# Altium PCB 400432.PcbDoc (part 3 of 6)
Units mil, origin at the board's own origin, x right, y up, seen from the top; angles counter-clockwise.
Board outline 5375 x 2500 mil, 4 copper layers (Top Layer, Mid-Layer 1, Mid-Layer 2, Bottom Layer), stack 59.252 mil thick; 366 components, 253 nets, 1494 pads, 1929 vias.
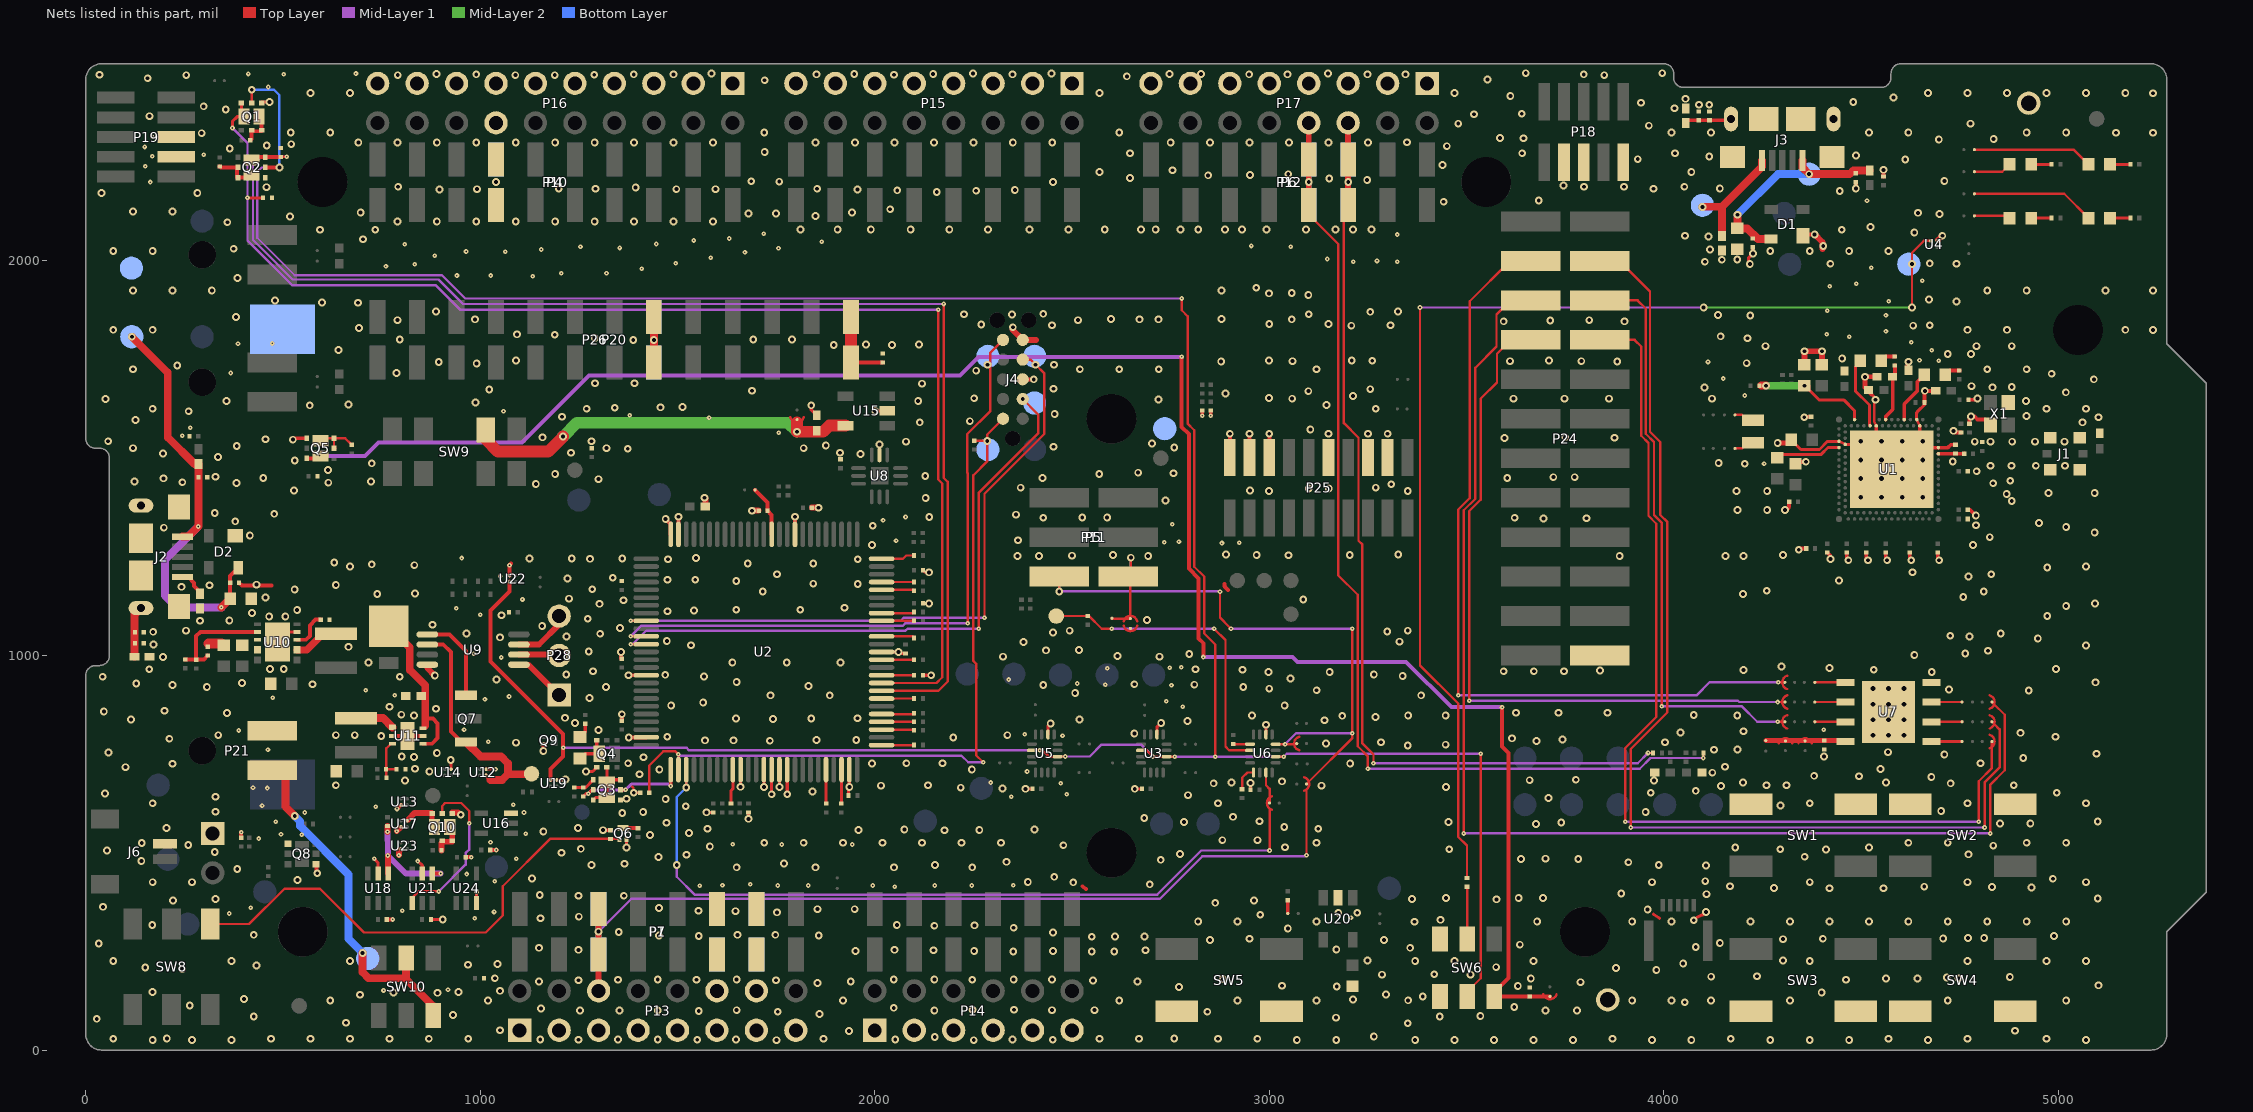
[diagram p5: the nets of this part, all layers, seen from the top]

## Via types
v1: diameter 19.68, hole 9.84, Top Layer to Bottom Layer, tented both sides, 1445 vias
v2: diameter 11.81, hole 3.94, Top Layer to Mid-Layer 1, tented top, 456 vias
v3: diameter 24, hole 12, Top Layer to Bottom Layer, tented both sides, 28 vias

## Nets (pads, with @x,y where several pads share a name; then routed paths per layer and width w, separated by ;. In a path a pad name is that pad's centre, name@x,y a point inside that pad or via, vN(x,y) a via of type N, cw(c..) or ccw(c..) an arc to the next point about the centre after c; other vN are vias at no path point) (continued)
GND: Bat1.2 C1.2 C2.1 C3.2 C4.1 C5.1 C6.2 C7.2 C8.2 C9.1 C10.2 C11.1 C12.1 C13.2 C14.2 C15.2 C16.2 C17.2 C18.2 C19.2 C20.2 C21.2 C22.2 C23.2 C24.2 C25.2 C26.2 C27.2 C28.1 C29.1 C30.2 C31.1 C32.1 C33.1 C34.2 C35.1 C36.1 C37.1 C38.1 C39.2 C40.1 C41.1 C42.1 C43.2 C44.1 C45.1 C46.1 C47.1 C48.1 C49.2 C50.1 C51.1 C52.1 C53.1 C54.1 C55.1 C56.1 C57.1 C59.1 C60.1 C61.1 C63.1 C64.1 C65.1 C66.1 C67.1 C68.1 C69.1 C70.1 C71.1 C72.1 D1.1 D2.1 FB3.2 FB4.2 FB5.2 FB6.2 J1.2 J4.3 J4.5 J6.1 P1.6 P1.7 P4.7 P7.6 P7.7 P10.7 P13.1 P13.3 P13.5 P13.7 P13.9 P13.11 P13.12 P13.13 P13.14 P13.15 P14.1 P14.3 P14.5 P14.7 P14.9 P14.11 P15.1 P15.3 P15.5 P15.7 P15.9 P15.11 P15.13 P15.15 P16.1 P16.3 P16.5 P16.7 P16.9 P16.11 P16.13 P16.14 P16.15 P16.17 P16.19 P17.1 P17.3 P17.5 P17.7 P17.9 P17.11 P17.13 P17.15 P18.3 P18.5 P18.9 P19.3 P19.5 P21.1 P24.24 P25.3 P25.5 P25.9 P25.15 P25.17 P25.19 P27.1 Q1.1 Q2.1 Q3.1 Q4.1 Q5.1 Q6.2 Q8.1 Q8.4 Q9.2 Q10.1 R7.1 R9.1 R13.2 R29.2 R31.2 R36.2 R50.2 R52.2 R55.1 R56.1 R61.2 R62.1 R63.1 R66.2 R70.2 R73.2 R75.1 SB32.1 SW1.1 SW2.1 SW3.1 SW4.1 SW5.1 SW6.1 SW6.4 TP12.1 TP39.1 TP40.1 TP41.1 U1.104 U1.A25 U1.B12 U1.B26 U1.G1 U1.H2 U1.J31 U2.9 U2.24 U2.25 U2.41 U2.49 U2.60 U2.63 U2.64 U2.65 U2.66 U2.74 U2.88 U3.6 U4.B1 U5.6 U6.6 U7.4 U7.9 U8.2 U9.4 U10.4 U10.8 U10.9 U10.11 U11.2 U11.5 U11.7 U12.B1 U13.B1 U14.B1 U15.2 U16.3 U17.B1 U18.2 U19.B1 U20.2 U21.2 U22.B1 U23.B1 U24.3 X1.2 X1.4 | length 4311.2
  Top Layer w6: 1385,668 cw(c1375.34,658.34) 1389,658.34 v1(1389,652) C40.1@1405.78,652 ; R36.2@2122.22,1215.72 2127.22,1210.72 v1(2137.38,1210.72) ; R31.2@2126.22,1132.05 v1@2141.38,1132.05
  Top Layer w6.5: U1.A25@4640.85,1597.98 U1.B26@4648.72,1582.24 U1.A25@4640.85,1597.98
  Top Layer w7.36: 4526.82,1661.82 4533.33,1655.31 4533.33,1593.02 ; 4533.33,1592.87 U1.B12@4538.49,1582.24 ; 4347.29,1522.45 C26.2@4322.94,1546.8 4347.29,1522.45 ; 4347.29,1522.45 4394.41,1522.45 ; 4347.29,1522.45 4394.41,1522.45 ; 4394.41,1522.45 4414.83,1542.87 ; 4394.41,1522.45 4414.83,1542.87 ; 4414.83,1542.87 U1.G1@4444,1542.87 ; 4414.83,1542.87 U1.G1@4444,1542.87 ; U1.G1@4444,1542.87 U1.H2@4459.75,1534.99 ; U1.G1@4444,1542.87 U1.H2@4459.75,1534.99 ; U1.H2@4459.75,1534.99 4487.31,1534.99 U1.H2@4459.75,1534.99
  Top Layer w7.87: U1.A25@4640.85,1597.98 4640.85,1615.7 ; C1.2@4660.69,1641.29 C1.2@4660.69,1635.64 ; 4640.85,1615.7 4643.8,1618.65 ; 4640.85,1615.7 4643.8,1618.65 ; 4643.8,1618.65 4643.8,1618.75 ; 4643.8,1618.75 C1.2@4660.69,1635.64 ; 4643.8,1618.75 C1.2@4660.69,1635.64
  Top Layer w8: Q1.1@445.93,2403.2 v1(465.8,2403.2) ; U10.11@486,1023 U10.11@511.59,1048.59 ; U10.11@511.59,1059.59 U10.4@536,1059.59 ; v1@522.98,1550.59 Q5.1@557.8,1550.59 ; v2(731,485) 741,475 U18.2@741,447.4 ; v2(842,479) 853,468 U21.2@853,447.4 ; C71.1@875.22,331 v1(905,331) ; U14.B1@925.87,711.87 v1@925.87,735.87 ; U24.3@990.59,372.6 v2(990.59,400.41) ; U12.B1@1014.87,711.87 v2(1038.87,711.87) ; U19.B1@1193.65,684.5 1214.9,684.5 v1(1215.9,685.5) ; v1(1268,706) 1284.86,706 Q4.1@1295.41,716.55 ; v1(1311.22,557.22) R61.2@1330,557.22 ; v1(1370.86,513.14) Q6.2@1370.86,535.22 ; v1(1573.39,602.39) R13.2@1591,602.39 ; v1@1656.78,663.89 v1(1659.94,667.06) U2.60@1659.94,710.77 ; v1(1680,586) C35.1@1680,602.39 ; v1(1719,667) U2.63@1719,710.77 ; v1(1738.68,648.32) U2.64@1738.68,710.77 ; v1(1758.37,667) U2.65@1758.37,710.77 ; v1(1778.05,648.32) U2.66@1778.05,710.77 ; v1(1839,1634) 1839,1622.68 C66.1@1853,1608.68 ; C34.2@1933.78,645 1933.78,665.25 v1(1935.53,667) U2.74@1935.53,710.77 ; v1(2001,1620) U15.2@2032.15,1620 ; v1(2012,1535) 2012.1,1534.9 U8.2@2012.1,1506.32 ; U2.88@2017.23,1009 v1(2060,1009) 2063.61,1005.39 C33.1@2078,1005.39 ; R29.2@2122.22,950 v1(2143,950) ; v1(2382,662) C42.1@2399.78,662 ; U5.6@2438.87,799.85 2438.87,820.87 v1(2445.87,827.87) ; v1(2659,662) C41.1@2677.11,662 ; U3.6@2715.21,799.85 2715.21,818.21 v1(2726,829) ; C45.1@2952.45,662 v1(2952.45,676.55) ; U6.6@2991.54,799.85 v1(2991.54,824.46) ; 3974,344 3989,334 ; 4083,336 4099,343 ; v1@4215,2001 4215,2008 v1(4226,2019) 4225.43,2019.57 C52.1@4225.43,2034.75 ; v1@4308.23,1366.84 4317.82,1376.43 C14.2@4317.82,1386.03 ; C26.2@4314.89,1538.76 C26.2@4322.94,1546.8 ; C12.1@4739.28,1534.4 C12.1@4740.87,1536
  Top Layer w8.86: v2(2830,1608) C28.1@2830,1620.78 ; v2(2852,1608) C29.1@2852,1620.78 ; C16.2@4414.47,1260.98 4422.41,1253.04 v1(4422.41,1244.29) ; C17.2@4463.69,1260.98 v1@4463.69,1245.23 ; C18.2@4512.9,1260.98 v1@4512.9,1245.23 ; U1.104@4538.49,1527.12 U1.B12@4538.49,1582.24 ; C19.2@4562.11,1260.98 v1@4562.11,1245.23 ; C3.2@4617.23,1722 4617.23,1741.64 v1(4620.18,1744.59) ; C3.2@4620.18,1722 4620.18,1744.64 v1@4623.13,1747.59 ; C20.2@4623.14,1260.98 v1@4623.14,1245.23 ; U1.B26@4648.72,1582.24 U1.104@4648.72,1527.12 ; C21.2@4694,1260.98 v1@4694,1245.23 ; C10.2@4774.71,1587.55 v1@4774.71,1602.91 ; v1(4778.66,1605.86) 4787.5,1605.86 4795.38,1597.98 ; v1@4463.69,1245.23 v1(4467.62,1241.29) v1@4463.69,1245.23 ; v1@4512.9,1245.23 4516.84,1241.29 v1@4512.9,1245.23 ; v1@4562.11,1245.23 v1(4566.05,1241.29) v1@4562.11,1245.23 ; U1.104@4577.86,1472 4589.47,1472 U1.104@4577.86,1472 ; U1.104@4577.86,1472 4522.74,1527.12 U1.104@4577.86,1472 ; v1@4623.14,1245.23 v1(4627.07,1241.29) v1@4623.14,1245.23 ; U1.104@4648.72,1527.12 4632.98,1527.12 U1.104@4648.72,1527.12 ; U1.104@4648.72,1527.12 4720.18,1527.12 ; U1.104@4648.72,1527.12 U1.J31@4695.97,1527.12 4720.18,1527.12 ; v1@4694,1245.23 v1(4697.94,1241.29) v1@4694,1245.23 ; 4720.18,1527.12 4727.46,1534.4 ; 4720.18,1527.12 4727.46,1534.4 ; 4727.46,1534.4 C12.1@4739.28,1534.4 4727.46,1534.4 ; v1@4774.71,1602.91 4777.66,1605.86 v1@4774.71,1602.91 ; 4776.1,1369.64 v1(4790.86,1354.88) 4776.1,1369.64 ; 4776.1,1369.64 C9.1@4770.18,1369.64 4776.1,1369.64 ; v1(4734.35,1569.44) 4738.69,1565.11 v1(4734.35,1569.44) ; v1@4792.43,1648.18 v1(4795.38,1651.13) v1@4792.43,1648.18
  Top Layer w9.84: Q8.4@585.2,471.41 585.2,449.8 v1(587,448) ; C68.1@763.22,331 v2(778,331) ; U11.2@777.61,796 U11.7@816,796 U11.5@854.39,796 ; v2(789,611) U13.B1@799.13,621.13 ; C69.1@963.22,489 v2(977,489) ; C70.1@1025.22,507 v2(1041,507) ; U22.B1@1074.13,1202.87 v2(1074.13,1229.13) v2@1078,1233 ; v1(1160,758) 1160,775.92 Q9.2@1160.22,776.14 ; 2527,415 2535,408 ; 2886,1181 ccw(c2900.49,1181) 2890.23,1170.77 2895,1166 ; v1@4310.34,1367.33 4316.64,1373.63 4316.64,1384.85 C14.2@4317.82,1386.03 ; v1(4342,1268) 4345.21,1271.21 C15.2@4356.99,1271.21 ; v1@4353.45,1602.91 v1@4355.81,1605.27 ; v1@4357,1603 4357,1604.08 v1@4355.81,1605.27 ; C13.2@4373.13,1605.27 v1@4355.81,1605.27 ; C11.1@4518.8,1669.83 4526.82,1661.82 ; C1.2@4660.54,1641.29 4660.54,1670.82 C2.1@4688.09,1670.82 ; 4795.38,1597.98 4814.08,1597.98 X1.4@4827.86,1584.2 ; v1@4738.69,1565.11 C24.2@4753.06,1565.11 v1@4738.69,1565.11 ; C25.2@4772.15,1648.18 4792.43,1648.18 C25.2@4772.15,1648.18
  Top Layer w10: C54.1@388.83,1184 395.83,1177 471.11,1177 ; R66.2@393.87,538.22 v2(393.87,551.87) ; C37.1@1357,991.83 v1(1357,1009) ; C36.1@1359,834.83 v1(1359,851) ; v1(1376.06,949.94) U2.41@1420.77,949.94 ; v1(1376.46,792.46) U2.49@1420.77,792.46 ; v1(1470,1346) 1482.78,1333.22 U2.25@1482.78,1307.23 ; U2.24@1502.46,1307.23 v1(1502.46,1351.54) ; U2.9@1797.74,1307.23 v1(1797.74,1351.74) ; J4.3@2375,1700 v1(2403,1700) ; P25.19@2900,1501.77 v1(2900,1562) ; P25.17@2950,1501.77 v1(2950,1562) ; P25.15@3000,1501.77 v1(3000,1562) ; C6.2@4333.76,1485.78 4338.98,1491 v1(4360,1491) ; D1.1@4352.59,2063.39 4356.59,2067.39 v1(4382.39,2067.39) ; v1(4486.73,2183.73) C47.1@4486.73,2199.75 ; C48.1@4557,2214.22 v1(4557,2231)
  Top Layer w12: v1(4288.49,1538.76) C26.2@4314.89,1538.76 ; C11.1@4518.8,1669.83 4509.94,1678.69 v1(4509.94,1706.25) 4510.14,1706.45 C4.1@4540.46,1706.45
  Top Layer w15: v2(788.5,555) U17.B1@796.75,563.25 ; v2(794,494) 794,505 U23.B1@796.5,507.5 ; U9.4@865.86,976.61 865.86,968.14 v1(885,949) ; Q10.1@929.18,602.41 v1@943.59,602.41 ; v1(1568.69,1399.69) 1570.69,1397.69 C31.1@1570.69,1377.61 ; v1(1689,1367) C39.2@1705.78,1367 ; C38.1@1840.22,1374.61 v1(1857.61,1374.61) ; v1@2349,1826 J4.5@2375,1800 2409,1800 ; C7.2@4356.4,1736.96 v1(4356.4,1771.21) 4397.94,1771.21 v1@4400.69,1768.46 ; v1(4382.39,2067.39) 4402,2047.79 v1@4402,2030 ; C8.2@4400.69,1736.96 v1@4400.69,1768.46 ; v1(4400.69,1771.21) v1@4400.69,1768.46 ; U4.B1@4695,2053 v1(4706,2064)
  Top Layer w25: 311,1030.68 C60.1@344.89,1030.68
  other v1: 169.75,25.47 269.75,25.47 369.75,25.47 1751,25 2251,25 3069.75,25.47 3169.75,25.47 3369.75,25.47 3469.75,25.47 3569.75,25.47 3669.75,25.47 3769.75,25.47 3969.75,25.47 4069.75,25.47 4269.75,25.47 4369.75,25.47 4469.75,25.47 4669.75,25.47 5069.75,25.47 1249,26 1550,26 2451,26 1152,27 1349,27 1450,27 1648,27 2052,27 2349,27 69.75,28.47 469.75,28.47 569.75,28.47 669.75,28.47 769.75,28.47 869.75,28.47 969.75,28.47 1869.75,28.47 2569.75,28.47 2669.75,28.47 2869.75,28.47 2969.75,28.47 3869.75,28.47 4169.75,28.47 4569.75,28.47 4769.75,28.47 4969.75,28.47 205.63,29 2759,29 2152,33 3265,34 1935,48 4890,49 1050,50 3351,68 660,69 28,79 3169,82 426,85 3432,85 3535,86 931,89 1860,91 1754,97 2843,97 1554,99 1253,100 1353,100 1450,100 2151,100 3700,100 3780,100 1650,101 2449,101 2557,101 2248,102 2353,102 1154,105 2048,107 3621,109 263.63,113 4053,121 619.75,125.47 1019.75,125.47 1919.75,125.47 2619.75,125.47 2919.75,125.47 3119.75,125.47 3919.75,125.47 4019.75,125.47 4119.75,125.47 4319.75,125.47 4719.75,125.47 5019.75,125.47 3352,126 3212,128 401,129 3389,136 695,140 3296,141 892,145 780,146 4400,146 169.63,147 945,147 1050,150 2771,160 3171,161 3630,162 3032,163 5102,164 1855,170 3789,172 1149,174 1939,174 2666,174 2553,176 1249,177 1750,177 1349,178 1548,178 2247,178 4462,178 1450,179 1650,179 2048,179 2151,179 2352,179 2449,179 2882,180 3663,181 4563,181 4643,181 1037,182 4747,182 4717,184 4877,185 4120,186 4236,187 3286,191 3510,191 3418,192 3981,203 244.63,205 3879,208 151,209 3575,210 433,214 969,216 1044,218 4049,219 69.75,225.47 369.75,225.47 669.75,225.47 3369.75,225.47 3469.75,225.47 3669.75,225.47 4369.75,225.47 4769.75,225.47 4969.75,225.47 5069.75,225.47 3249,227 4302,227 2351,250 2550,250 2607,250 1951,251 2252,251 2452,251 2149,253 2686,253 1249,254 2050,254 3170,255 1149,259 3357,259 4081,261 3635,267 33,270 4142,271 2850,279 3291,279 4302,281 2950,282 4403,282 4708,283 4771,284 4812,284 2550,287 2609,288 2684,288 1554,289 4989,289 1453,290 1858,290 426,292 1652,292 1748,292 2452,298 1351,299 3047,308 2352,310 2151,315 2253,316 168.63,317 2056,317 2819.75,325.47 2919.75,325.47 3119.75,325.47 3368,325 3919.75,325.47 4019.75,325.47 4219.75,325.47 4319.75,325.47 4419.75,325.47 4519.75,325.47 4619.75,325.47 4719.75,325.47 4819.75,325.47 4919.75,325.47 5019.75,325.47 3679,326 4076,329 3434,330 1153,334 1250,338 2977,343 3175,348 3223,348 1752,349 4107,350 1647,352 1553,353 3959,356 1855,357 1949,357 1453,360 44,363 2863,373 221,379 2961,379 3576,382 329,383 3362,383 5100,384 3448,385 3632,385 3694,385 1249,391 1364,391 1151,393 4108,395 3892,397 4420,410 4557,410 4279,411 4932,412 4832,413 4660,414 4168,415 2697,420 169.75,425.47 269.75,425.47 2503,425 3969.75,425.47 4369.75,425.47 4769.75,425.47 5069.75,425.47 2388,426 4105,428 537,431 4986,434 1131,435 2455,439 384,459 1650,463 1850,463 2048.5,463 2247,463 4107,468 1282,469 2153,469 3987,469 1366,472 1770,473 3910,476 2334,477 141,479 2725,482 3638,484 3783,484 3700,485 1452,489 4357,490 1523,495 4772,496 2774,497 1206,500 327,502 54,506 4411,508 3456,509 4295,509 1255,510 4181,513 4520,513 3040,514 1582,516 4835,518 2478,519 260,520 142,525 1719.75,525.47 1819.75,525.47 1919.75,525.47 2019.75,525.47 2119.75,525.47 2219.75,525.47 2319.75,525.47 3119.75,525.47 4619.75,525.47 4719.75,525.47 4919.75,525.47 5019.75,525.47 2881,532 2970,532 1430,545 1529,550 1160,554 2177,557 1959,558 2265,558 2075,559 2405,559 1576,561 3124,561 205,563 1248,563 3038,565 3676,573 4852,574 4929,574 1472,576 3740,577 2784,578 3454,578 5100,579 2975,580 2683,588 2908,591 950.59,596.41 1360,601 1413,603 3954,603 329,604 4703,606 1521,618 4296,620 169.75,625.47 2869.75,625.47 4369.75,625.47 4769.75,625.47 5069.75,625.47 1470,636 1371,637 3708,639 329,642 2794,646 49,650 3967,652 4996,652 1842,655 4081,657 2324,663 2218,665 3448,667 4145,669 2016,670 3132,670 634,671 2135,671 4260,671 4311,671 4887,671 2859,676 4727,676 2904,678 4201,678 4563,678 3032,681 809,683 3975,683 3660,684 3777,685 4678,692 4495,694 4381,695 1404,699 4123,703 871,706 1454,711 2246,711 4549,712 835,713 101,717 4155,718 219.75,725.47 1993,726 3205,726 1375,727 2080,727 2172,727 4803,727 925.17,735.17 4911,740 1414,742 832,743 801,744 4406,744 4711,749 5097,751 890,753 58,754 4568,755 4127,761 4187,762 3351,772 3447,774 3144,777 1091,779 3283,780 4003,780 3677,783 1734,784 1570,785 1642,785 1852,786 1953,786 3743,787 212,789 3615,790 2199,792 1474,794 4993,794 749,796 336,798 634,798 682,798 2336,798 2658,802 4904,804 4042,805 4202,808 1300,811 1240,829 2793,834 3140,836 115,838 2519,838 1742,839 1648,840 1839,840 1956,841 1215,842 3269,844 3185,847 832,848 2956,848 3352,848 3447,848 4186,848 4076,849 800,850 358,854 3625,855 3733,855 3857,855 46,858 200,860 888,865 770,870 1484,873 3039,873 1565,881 1277,892 1736,899 1886,899 3385,899 2508,905 4925,911 3120,912 4723,914 3000,916 307,920 1319,920 2934,920 1832,923 219.75,925.47 2427,925 2810,926 575,927 2658,927 128,929 396,930 5094,932 1650,933 1041,939 3054,942 43,946 796,946 1567,947 3338,948 1469,951 1218,952 3265,952 2998,958 3153,958 4679,958 1286,960 3594,960 3670.5,960 3747,960 3838,962 4202,963 2932,964 4532,964 161,965 2813,965 467,966 502,966 4994,966 4420,968 4298,972 717,982 1639,982 1777,982 1913,982 196,996 2325,997 2722,997 2615,999 4635,1001 2797,1004 4764,1005 1275,1010 4822,1012 2434,1013 2518,1014 666,1022 5069.75,1025.47 1534,1026 172,1028 2377,1034 3330,1035 1473,1037 4948,1043 1050,1046 1219,1048 4775,1048 4726,1050 1304,1055 965,1056 4854,1056 2452,1058 171,1060 3299,1061 254,1063 2494,1063 3351,1063 1354,1070 1157,1075 879,1078 290,1088 364,1089 2690,1090 1272.61,1093 465,1099 506,1099 4972,1100 1054,1102 421.57,1108.03 1475,1112 1542,1114 536,1115 1649,1116 1811,1116 1923,1121 5019.75,1125.47 1302,1131 2137.38,1132.05 5093,1132 1363,1140 3086,1142 1225,1144 456,1147 4759,1148 739,1156 4201,1156 835,1157 1716,1162 4811,1162 4261,1164 529.61,1167 1284,1168 243,1174 314,1178 432.61,1179.5 634,1179 1957,1181 1844,1182 1649,1189 4444,1190 1475,1192 1545,1192 1221,1195 1336,1197 4772,1200 1752,1206 4830,1206 4630,1211 4972,1223 669.75,1225.47 5069.75,1225.47 833,1229 725,1231 1678,1233 1844,1233 630,1236 4517.84,1241.29 1476,1244 1957,1244 1278,1245 1125,1246 1232,1246 1360,1246 1547,1247 2362,1252 2416,1252 2693,1252 3888,1252 4156,1252 4202,1252 2500,1253 3049,1254 2604,1255 2968,1255 3204,1255 4302,1255 2890,1256 3327,1256 1993,1280 4784,1280 2363,1292 4826,1300 416,1304 5092,1312 198,1324 5019.75,1325.47 1995,1329 4791.44,1330.27 4951,1336 379,1340 3695,1347 3804,1348 2427,1349 3622,1349 2526,1350 2589,1350 2138,1351 2358,1357 478,1359 327,1361 4187,1369 4262,1369 4307.23,1369 4881.99,1391.29 2737,1393 2129,1399 4869,1409 4975,1412 5092,1412 2999,1417 3351,1417 4184,1417 4262,1417 528,1418 2951,1418 3100,1423 3151,1423 2369.75,1425.47 3269.75,1425.47 3309,1434 1141,1435 4834.75,1436.57 382,1437 615,1438 245,1439 124,1441 723,1441 4878,1443 1300,1447 197,1449 450,1450 2425,1450 3603,1450 3720,1452 3774,1452 329,1453 2128,1455 1190,1460 2569,1460 2757,1462 2667.68,1463.4 4793,1467 614,1470 4828,1481 4881.43,1481 4943,1481 5016.6,1481 4205,1486 725,1487 4139,1488 4732.39,1491.68 530,1494 335,1503 1964,1511 196,1512 1230,1514 1912,1514 1374,1524 119.75,1525.47 1319.75,1525.47 1819.75,1525.47 2759,1527 2453,1529 383,1531 1876,1532 2703,1537 2079,1542 4788,1542 4828,1542 4883,1542 4941,1542 5015.61,1542 57,1543 1282,1543 525,1547 456,1548 3596,1551 3875,1552 1158,1553 3750,1553 3150,1562 3250,1562 3300,1562 3104,1573 2114,1591 5061,1591 2241,1594 126,1597 4356,1604 5102,1604 1207,1605 4919,1607 2456,1612 261,1619 169.75,1625.47 1269.75,1625.47 3269.75,1625.47 4969.75,1625.47 5069.75,1625.47 1341,1628 1457,1629 1513,1630 568,1634 3145,1635 666,1636 988,1641 357,1645 2110,1645 4918,1645 4536.52,1648.18 2719,1649 50,1650 3058,1651 3619,1651 3748,1651 3861,1651 4122,1651 2252,1652 2999,1653 3212,1658 2889,1664 5019,1667 3099,1670 4661.52,1670.82 1689,1671 1023,1674 3256,1675 2453,1676 4103,1679 4832.78,1679.68 4881.99,1680.66 4779.63,1682.63 2120,1689 1291,1690 1391,1690 5090,1700 4983,1714 788,1716 2257,1722 119.75,1725.47 2519.75,1725.47 2619.75,1725.47 2719.75,1725.47 3119.75,1725.47 4819.75,1725.47 4919.75,1725.47 232,1735 2454,1737 991,1740 4210,1741 895,1744 2878,1745 3882,1745 3059,1746 3610,1746 3791,1746 3261,1747 1091,1748 2999,1748 3209,1748 3709,1748 4452,1753 4719.59,1764.32 4778.65,1764.32 641,1774 4257.98,1784.01 4792.43,1784.01 4881.99,1784.01 1896,1787 2044,1787 1978,1788 2112,1788 1388,1800 796,1801 1692,1801 1790,1801 4212,1804 1290,1805 4144,1809 1189,1813 1093,1814 69.75,1825.47 169.75,1825.47 4769.75,1825.47 4869.75,1825.47 5169.75,1825.47 5240,1825 693,1830 2350,1832 3208,1836 4632,1836 2449,1837 3307,1837 4674,1837 2270,1839 3000,1840 3150,1840 3594,1847 3900,1847 3712,1849 790,1850 2515,1850 3811,1850 987,1852 2671,1852 2719,1852 3057,1852 2599,1853 2879,1853 381,1858 4219,1862 4137,1863 2348,1864 2226,1865 3100,1865 2427,1866 3256,1871 888,1872 3326,1872 690,1894 599,1895 4742,1897 480,1900 4672,1902 3099,1914 2999,1918 3057,1919 119.75,1925.47 219.75,1925.47 319.75,1925.47 2879,1925 4819.75,1925.47 4919.75,1925.47 5119.75,1925.47 5240,1925 2967,1932 385,1957 4218,1992 4422,1993 4742,1993 4674,1994 4104,1998 4147,2003 4186,2004 69.75,2025.47 169.75,2025.47 4269.75,2025.47 4369.75,2025.47 4469.75,2025.47 4569.75,2025.47 4117,2029 375,2031 4404,2038 703,2055 4113,2062 4054,2064 4635,2072 594,2079 734,2079 4451,2079 1812,2080 1906,2080 1990,2080 2091,2080 2189,2080 2287,2080 2392,2080 2491,2080 2583,2080 2675,2080 2712,2080 2775,2080 2820,2080 2888,2080 2931,2080 2993,2080 3093,2080 3168,2080 3212,2080 3259,2080 4524,2086 359,2098 790,2100 890,2100 990,2100 1090,2100 1190,2100 1290,2100 1390,2100 1490,2100 1590,2100 518,2113 1850,2114 4699,2119 1680,2120 1750,2120 4644,2122 697,2123 1942,2123 119.75,2125.47 219.75,2125.47 2039,2131 3442,2150 3683,2153 40,2172 283,2172 2157,2175 4446,2177 2257,2178 2057,2179 2355,2180 897,2181 1956,2181 992,2182 1497,2182 1596,2182 1199,2183 1292,2183 1854,2183 3974,2183 4142,2184 1394,2186 458,2187 792,2188 3798,2188 3899,2188 4052,2188 3746,2191 1040,2200.4 2452,2200 1758,2201 1687,2202 4711,2203 3248,2205 3152,2209 2647,2210 2845,2217 2951,2218 3048,2220 2569.75,2225.47 4069.75,2225.47 2755,2230 3439,2243 4612,2257 3934,2258 4115,2265 4487,2267 2647,2273 3641,2273 4028,2273 1721,2276 365,2285 3450,2291 459,2293 521,2296 691,2300 790,2300 890,2300 990,2300 1090,2300 1190,2300 1290,2300 1390,2300 1490,2300 1590,2300 1850,2300 1950,2300 2050,2300 2150,2300 2250,2300 2350,2300 2450,2300 2750,2300 2850,2300 2950,2300 3050,2300 3150,2300 3250,2300 3349,2301 4697,2308 4836,2309 3644,2311 3585,2312 293.99,2324 519.75,2325.47 619.75,2325.47 1719.75,2325.47 2619.75,2325.47 4019.75,2325.47 4119.75,2325.47 4519.75,2325.47 4619.75,2325.47 4919.75,2325.47 5019.75,2325.47 5146,2325 5240,2325 3962,2343 3479,2348 4777,2348 162,2367 3519,2372 3640,2373 355,2384 4027,2387 299,2392 4089,2396 4115,2396 3942,2401 4480,2403 4055,2411 4582,2414 3611,2418 569.75,2425.47 669.75,2425.47 2569.75,2425.47 3469.75,2425.47 4669.75,2425.47 4769.75,2425.47 4869.75,2425.47 4969.75,2425.47 5069.75,2425.47 5169.75,2425.47 5240,2425 1721,2458 3553,2460 157,2463 2639,2468 254.99,2471 791,2471 1089,2471 1189,2471 3849,2471 34.99,2472 1289,2472 2049,2472 990,2473 1389,2473 1490,2473 1852,2473 2349,2473 2949,2473 3046,2473 3249,2473 3345,2473 3797,2473 889,2474 1948,2474 2148,2474 2747,2474 2827,2474 1586,2475 2249,2475 2448,2475 3149,2475 3650,2476 3996,2476